# Altium PCB DI543.PcbDoc (part 2 of 8)
Units mil, origin at the board's own origin, x right, y up, seen from the top; angles counter-clockwise.
Board outline 8666.42 x 9192.01 mil, 4 copper layers (Top Layer, Mid-Layer 1, Mid-Layer 2, Bottom Layer), stack 35.6 mil thick; 694 components, 500 nets, 2441 pads, 1661 vias.
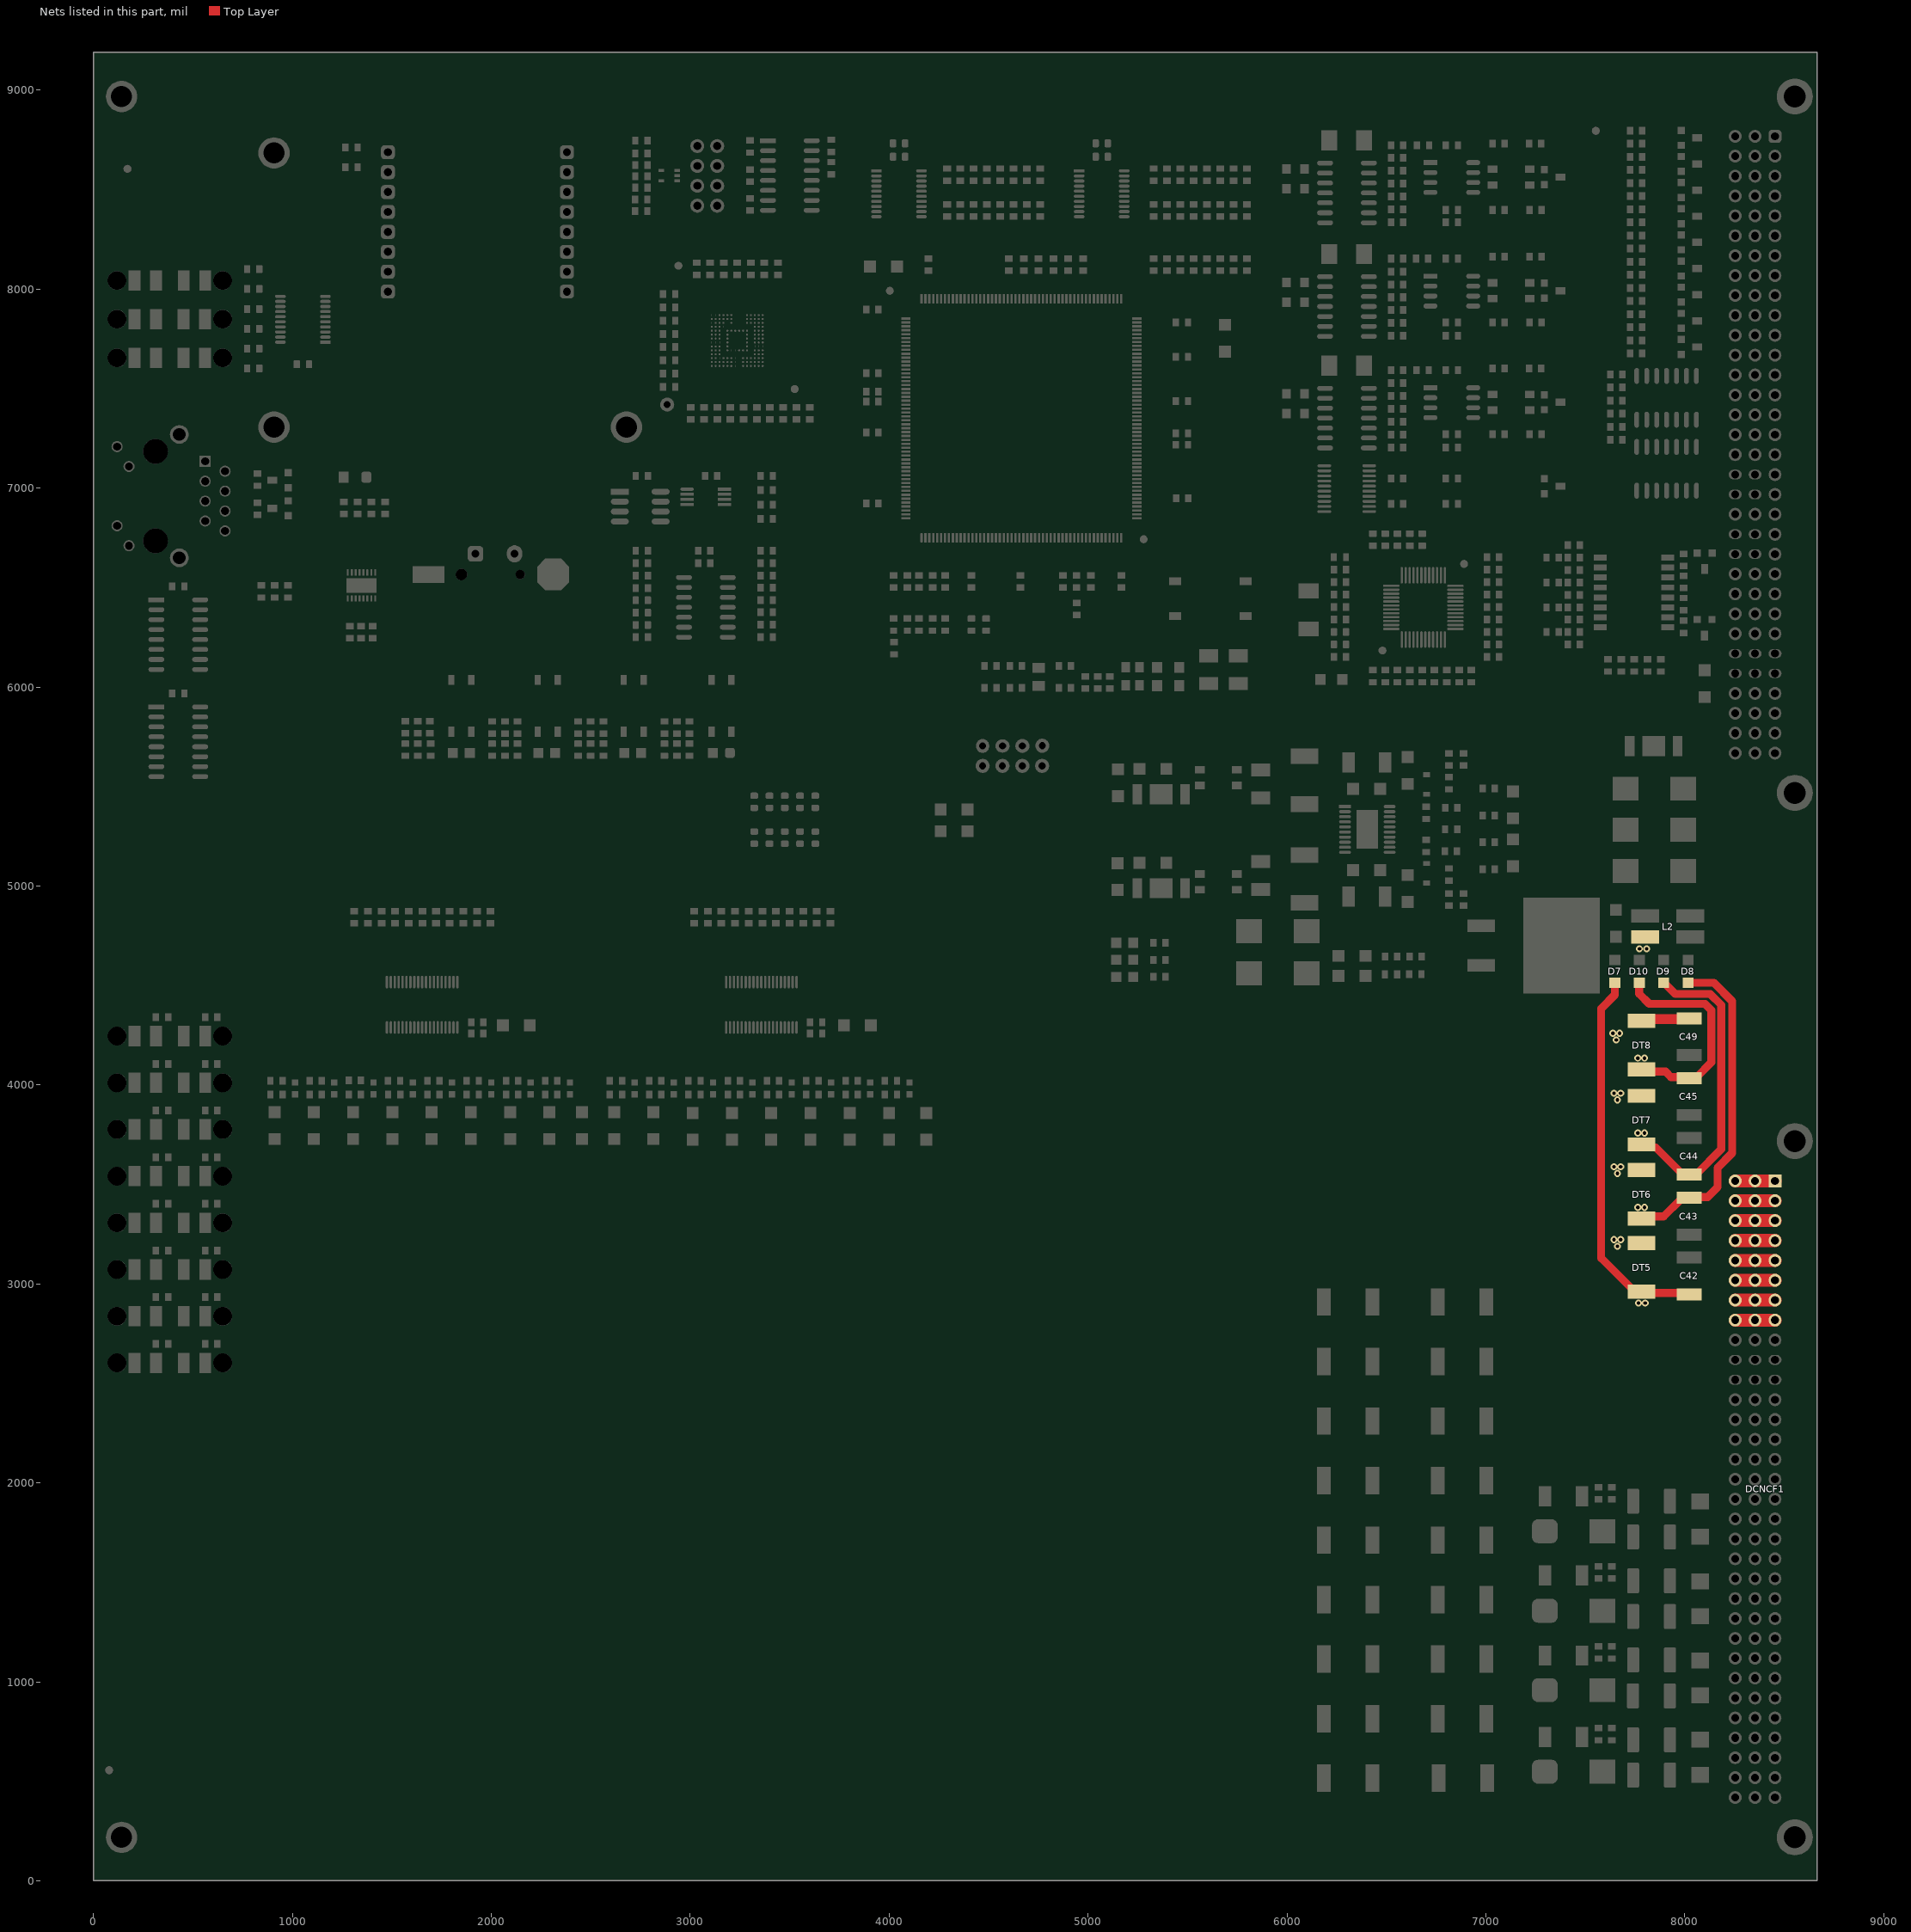
[diagram p4: the nets of this part, all layers, seen from the top]

## Footprints (in the part's own frame and the unit in brackets; to place one, negate y for a bottom-side part, rotate by r counter-clockwise, add the part's x,y. Pads: shape width x height; smd on the part's side, far side on the other; paste and mask are expansions set on the pad) (continued)
EMMC [mm]
  oval 0x0.254 smd paste+0 mask+0: A1(-3.25,3.25) A2(-2.75,3.25) C1(-3.25,2.25) D4(-1.75,1.75) H1(-3.25,-0.25) H2(-2.75,-0.25) H3(-2.25,-0.25) J12(2.25,-0.75) J13(2.75,-0.75) J14(3.25,-0.75) K6(-0.75,-1.25) K7(-0.25,-1.25) M3(-2.25,-2.25) M7(-0.25,-2.25) N7(-0.25,-2.75) P7(-0.25,-3.25)
  round 0.254 smd paste+0 mask+0: A3(-2.25,3.25) A4(-1.75,3.25) A5(-1.25,3.25) A6(-0.75,3.25) A10(1.25,3.25) A11(1.75,3.25) A12(2.25,3.25) A13(2.75,3.25) A14(3.25,3.25) B1(-3.25,2.75) B2(-2.75,2.75) B3(-2.25,2.75) B4(-1.75,2.75) B5(-1.25,2.75) B6(-0.75,2.75) B10(1.25,2.75) B11(1.75,2.75) B12(2.25,2.75) B13(2.75,2.75) B14(3.25,2.75) C2(-2.75,2.25) C3(-2.25,2.25) C10(1.25,2.25) C11(1.75,2.25) C12(2.25,2.25) C13(2.75,2.25) C14(3.25,2.25) D1(-3.25,1.75) D2(-2.75,1.75) D3(-2.25,1.75) D12(2.25,1.75) D13(2.75,1.75) D14(3.25,1.75) E1(-3.25,1.25) E2(-2.75,1.25) E3(-2.25,1.25) E5(-1.25,1.25) E7(-0.25,1.25) E8(0.25,1.25) E9(0.75,1.25) E10(1.25,1.25) E12(2.25,1.25) E13(2.75,1.25) E14(3.25,1.25) F1(-3.25,0.75) F2(-2.75,0.75) F3(-2.25,0.75) F5(-1.25,0.75) F10(1.25,0.75) F12(2.25,0.75) F13(2.75,0.75) F14(3.25,0.75) G5(-1.25,0.25) G10(1.25,0.25) G12(2.25,0.25) G13(2.75,0.25) G14(3.25,0.25) H5(-1.25,-0.25) H10(1.25,-0.25) H12(2.25,-0.25) H13(2.75,-0.25) H14(3.25,-0.25) J5(-1.25,-0.75) J10(1.25,-0.75) K1(-3.25,-1.25) K2(-2.75,-1.25) K3(-2.25,-1.25) K5(-1.25,-1.25) K8(0.25,-1.25) K9(0.75,-1.25) K10(1.25,-1.25) K12(2.25,-1.25) K13(2.75,-1.25) K14(3.25,-1.25) L1(-3.25,-1.75) L2(-2.75,-1.75) L3(-2.25,-1.75) L12(2.25,-1.75) L13(2.75,-1.75) L14(3.25,-1.75) M1(-3.25,-2.25) M2(-2.75,-2.25) M4(-1.75,-2.25) M5(-1.25,-2.25) M6(-0.75,-2.25) M9(0.75,-2.25) M10(1.25,-2.25) M11(1.75,-2.25) M12(2.25,-2.25) M13(2.75,-2.25) M14(3.25,-2.25) N1(-3.25,-2.75) N2(-2.75,-2.75) N3(-2.25,-2.75) N5(-1.25,-2.75) N6(-0.75,-2.75) N9(0.75,-2.75) N10(1.25,-2.75) N11(1.75,-2.75) N12(2.25,-2.75) N13(2.75,-2.75) N14(3.25,-2.75) P1(-3.25,-3.25) P2(-2.75,-3.25) P3(-2.25,-3.25) P4(-1.75,-3.25) P6(-0.75,-3.25) P9(0.75,-3.25) P10(1.25,-3.25) P11(1.75,-3.25) P12(2.25,-3.25) P13(2.75,-3.25) P14(3.25,-3.25)
  oval 0.23x0.254 smd paste+0 mask+0: C4(-1.75,2.25)
  oval 0.23x0.24 smd paste+0 mask+0: C6(-0.75,2.25)
  oval 0.254x0.24 smd paste+0 mask+0: E6(-0.75,1.25) G1(-3.25,0.25) G2(-2.75,0.25) G3(-2.25,0.25) J1(-3.25,-0.75) J2(-2.75,-0.75) J3(-2.25,-0.75)
  oval 0.254x0 smd paste+0 mask+0: M8(0.25,-2.25)
  round 0.25 smd paste+0 mask+0: N4(-1.75,-2.75) P5(-1.25,-3.25)
  oval 0.2x0 smd paste+0 mask+0: N8(0.25,-2.75) P8(0.25,-3.25)
  silkscreen extent -6.06,-6.81 6.06,6.81, body extent -5.8,-6.55 5.8,6.55, height 0.99
EURO2.54-2H96#1 [mm] "Connector; DIN 41612, Type C, Thru-Hole; Rows a+b+c, 96 Position; Right Angle"
  round 4.6 hole 2.8: 33(-5.08,2.54) 34(83.82,2.54)
  rect 1.65x1.65 hole 1: A1(0,0)
  round 1.65 hole 1: A2(2.54,0) A3(5.08,0) A4(7.62,0) A5(10.16,0) A6(12.7,0) A7(15.24,0) A8(17.78,0) A9(20.32,0) A12(27.94,0) A13(30.48,0) A14(33.02,0) A15(35.56,0) A16(38.1,0) A17(40.64,0) A18(43.18,0) A19(45.72,0) A20(48.26,0) A21(50.8,0) A22(53.34,0) A23(55.88,0) A24(58.42,0) A25(60.96,0) A26(63.5,0) A27(66.04,0) A28(68.58,0) A29(71.12,0) A30(73.66,0) A31(76.2,0) A32(78.74,0) B1(0,-2.54) B2(2.54,-2.54) B3(5.08,-2.54) B4(7.62,-2.54) B5(10.16,-2.54) B6(12.7,-2.54) B7(15.24,-2.54) B8(17.78,-2.54) B9(20.32,-2.54) B12(27.94,-2.54) B13(30.48,-2.54) B14(33.02,-2.54) B15(35.56,-2.54) B16(38.1,-2.54) B17(40.64,-2.54) B18(43.18,-2.54) B19(45.72,-2.54) B20(48.26,-2.54) B21(50.8,-2.54) B22(53.34,-2.54) B23(55.88,-2.54) B24(58.42,-2.54) B27(66.04,-2.54) B28(68.58,-2.54) B31(76.2,-2.54) B32(78.74,-2.54) C1(0,-5.08) C2(2.54,-5.08) C3(5.08,-5.08) C4(7.62,-5.08) C5(10.16,-5.08) C6(12.7,-5.08) C7(15.24,-5.08) C8(17.78,-5.08) C9(20.32,-5.08) C12(27.94,-5.08) C13(30.48,-5.08) C14(33.02,-5.08) C15(35.56,-5.08) C16(38.1,-5.08) C17(40.64,-5.08) C18(43.18,-5.08) C19(45.72,-5.08) C20(48.26,-5.08) C21(50.8,-5.08) C22(53.34,-5.08) C23(55.88,-5.08) C24(58.42,-5.08) C27(66.04,-5.08) C28(68.58,-5.08) C31(76.2,-5.08) C32(78.74,-5.08)
  oval 1.27x1.65 hole 1: A10(22.86,0) A11(25.4,0) B10(22.86,-2.54) B11(25.4,-2.54) C10(22.86,-5.08) C11(25.4,-5.08)
  oval 1.626x1.651 hole 1: B25(60.96,-2.54) B26(63.5,-2.54) B29(71.12,-2.54) C25(60.96,-5.08) C26(63.5,-5.08) C29(71.12,-5.08)
  oval 1.626x1.65 hole 1: B30(73.66,-2.54) C30(73.66,-5.08)
  silkscreen extent -7.63,-0.5 86.37,12.64, body extent -7.63,-5.31 86.37,12.72, height 11.1
EURO2.54-2H96#2 [mm] "Connector; DIN 41612, Type C, Thru-Hole; Rows a+b+c, 96 Position; Right Angle"
  round 4.6 hole 2.8: 33(-5.08,2.54) 34(83.82,2.54)
  rrect50% 1.65x1.65 hole 1: A1(0,0)
  round 1.65 hole 1: A2(2.54,0) A3(5.08,0) A4(7.62,0) A5(10.16,0) A6(12.7,0) A7(15.24,0) A8(17.78,0) A9(20.32,0) A10(22.86,0) A11(25.4,0) A12(27.94,0) A13(30.48,0) A14(33.02,0) A15(35.56,0) A16(38.1,0) A17(40.64,0) A18(43.18,0) A19(45.72,0) A20(48.26,0) A21(50.8,0) A22(53.34,0) A23(55.88,0) A24(58.42,0) A25(60.96,0) A26(63.5,0) A29(71.12,0) A30(73.66,0) A31(76.2,0) A32(78.74,0) B1(0,-2.54) B2(2.54,-2.54) B3(5.08,-2.54) B4(7.62,-2.54) B5(10.16,-2.54) B6(12.7,-2.54) B7(15.24,-2.54) B8(17.78,-2.54) B9(20.32,-2.54) B10(22.86,-2.54) B11(25.4,-2.54) B12(27.94,-2.54) B13(30.48,-2.54) B14(33.02,-2.54) B15(35.56,-2.54) B16(38.1,-2.54) B17(40.64,-2.54) B20(48.26,-2.54) B23(55.88,-2.54) B24(58.42,-2.54) B25(60.96,-2.54) B26(63.5,-2.54) B29(71.12,-2.54) B30(73.66,-2.54) B31(76.2,-2.54) B32(78.74,-2.54) C1(0,-5.08) C2(2.54,-5.08) C3(5.08,-5.08) C4(7.62,-5.08) C5(10.16,-5.08) C6(12.7,-5.08) C7(15.24,-5.08) C8(17.78,-5.08) C9(20.32,-5.08) C10(22.86,-5.08) C11(25.4,-5.08) C12(27.94,-5.08) C13(30.48,-5.08) C14(33.02,-5.08) C15(35.56,-5.08) C16(38.1,-5.08) C17(40.64,-5.08) C20(48.26,-5.08) C23(55.88,-5.08) C24(58.42,-5.08) C25(60.96,-5.08) C26(63.5,-5.08) C29(71.12,-5.08) C30(73.66,-5.08) C31(76.2,-5.08) C32(78.74,-5.08)
  oval 1.143x1.65 hole 1: A27(66.04,0) A28(68.58,0) B27(66.04,-2.54) B28(68.58,-2.54) C27(66.04,-5.08) C28(68.58,-5.08)
  oval 1.245x1.65 hole 1: B18(43.18,-2.54) B19(45.72,-2.54) B21(50.8,-2.54) B22(53.34,-2.54) C18(43.18,-5.08) C19(45.72,-5.08) C21(50.8,-5.08) C22(53.34,-5.08)
  silkscreen extent -7.63,-0.5 86.37,12.64, body extent -7.63,-5.31 86.37,12.72, height 11.1
Fuse1206 [mil]
  rect 60x60 smd: 1(-2,-1) 2(133,-1)
  silkscreen extent -44,-44 175,43, body extent 4,-34 126,28, height 24
H1102NL [mil]
  rect 65.35x29.92 smd: 1(-170,175) 2(-170,125) 3(-170,75) 4(-170,25) 5(-170,-25) 6(-170,-75) 7(-170,-125) 8(-170,-175) 9(170,-175) 10(170,-125) 11(170,-75) 12(170,-25) 13(170,25) 14(170,75) 15(170,125) 16(170,175)
  silkscreen extent -178,-250 140,250, body extent -195,-256 195,236, height 215
"Header 1x4/M/ST" [mil]
  rrect50% 70x70 hole 40: 1(-150,0) 2(-50,0) 3(50,0) 4(150,0)
  silkscreen extent -198,-50 202,50, body extent -198,-50 202,50, height 362
"Header 2x4/F/2.54/ST" [mil]
  round 70 hole 40: 1(600,-100) 2(600,0) 3(700,-100) 4(700,0) 5(800,-100) 6(800,0) 7(900,-100) 8(900,0)
  silkscreen extent 550,-150 950,50, body extent 545,-150 955,47, height 335
"Indicator 0603" [mil] "Indicator 0603"
  rect 32x39 smd: 1(-2,-1) 2(59,-1)
  silkscreen extent -27,-30 84,28, body extent -3,-21 59,18, height 16
LayerN4 [mil]
  Top Layer region: 0,0 98.43,0 98.43,157.48 0,157.48
  Top Layer region: 417,0.14 810.7,0.14 810.7,315.1 417,315.1
  Mid-Layer 1 region: 197,0 295.43,0 295.43,157.48 197,157.48
  Mid-Layer 1 region: 417,0.14 810.7,0.14 810.7,315.1 417,315.1
  Mid-Layer 2 region: 98.57,0 197,0 197,157.48 98.57,157.48
  Mid-Layer 2 region: 417,0.14 810.7,0.14 810.7,315.1 417,315.1
  Bottom Layer region: 295.28,0 393.7,0 393.7,157.48 295.28,157.48
  Bottom Layer region: 417,0.14 810.7,0.14 810.7,315.1 417,315.1
  Multi-Layer lines w8: 0,315 0,303 0,213 393.7,213 393.7,315 0,315
"LED 0603 - Green" [mm] "LED 0603"
  rect 0.8x0.8 smd: 1(-0.671,-0.022) 2(0.829,-0.022)
  silkscreen extent -1.45,-0.72 1.6,0.68, body extent -0.72,-0.42 0.88,0.38, height 0.6
LED-0805#1 [mil]
  rect 50x50 smd: A(0,0) K(85,0)
  silkscreen extent -38,-38 123,38, body extent 2,-25 80,25, height 16
LED-0805#2 [mil]
  rrect50% 50x50 smd: A(0,0)
  rect 50x50 smd: K(85,0)
  silkscreen extent -38,-38 123,38, body extent 2,-25 80,25, height 16
LEDT670 [mm]
  rect 1.5x2.6 smd: A(-1.375,0) K(1.375,0)
  silkscreen extent -1.85,-1.5 2.49,1.5, body extent -1.75,-1.43 1.75,1.37, height 1.9
LightGuide2 [mm]
  round 2.4 hole 2.4: 0(0,0) 0(13.5,0)
  rect 1.5x2.6 on Mech1: A1(8.525,0) A2(2.225,0) K1(11.275,0) K2(4.975,0)
  silkscreen extent -2.1,-1.5 15.5,1.5, body extent -8.18,-1.5 15.48,1.5, height 9.58
LQF208 [mm] "LQF208"
  oval 1.2x0.3 smd: 1(-15.189,13.36)
  rect 1.2x0.3 smd: 2(-15.189,12.86) 3(-15.189,12.36) 4(-15.189,11.86) 5(-15.189,11.36) 6(-15.189,10.86) 7(-15.189,10.36) 8(-15.189,9.86) 9(-15.189,9.36) 10(-15.189,8.86) 11(-15.189,8.36) 12(-15.189,7.86) 13(-15.189,7.36) 14(-15.189,6.86) 15(-15.189,6.36) 16(-15.189,5.86) 17(-15.189,5.36) 18(-15.189,4.86) 19(-15.189,4.36) 20(-15.189,3.86) 21(-15.189,3.36) 22(-15.189,2.86) 23(-15.189,2.36) 24(-15.189,1.86) 25(-15.189,1.36) 26(-15.189,0.86) 27(-15.189,0.36) 28(-15.189,-0.14) 29(-15.189,-0.64) 30(-15.189,-1.14) 31(-15.189,-1.64) 32(-15.189,-2.14) 33(-15.189,-2.64) 34(-15.189,-3.14) 35(-15.189,-3.64) 36(-15.189,-4.14) 37(-15.189,-4.64) 38(-15.189,-5.14) 39(-15.189,-5.64) 40(-15.189,-6.14) 41(-15.189,-6.64) 42(-15.189,-7.14) 43(-15.189,-7.64) 44(-15.189,-8.14) 45(-15.189,-8.64) 46(-15.189,-9.14) 47(-15.189,-9.64) 48(-15.189,-10.14) 49(-15.189,-10.64) 50(-15.189,-11.14) 51(-15.189,-11.64) 52(-15.189,-12.14) 105(15.311,-12.14) 106(15.311,-11.64) 107(15.311,-11.14) 108(15.311,-10.64) 109(15.311,-10.14) 110(15.311,-9.64) 111(15.311,-9.14) 112(15.311,-8.64) 113(15.311,-8.14) 114(15.311,-7.64) 115(15.311,-7.14) 116(15.311,-6.64) 117(15.311,-6.14) 118(15.311,-5.64) 119(15.311,-5.14) 120(15.311,-4.64) 121(15.311,-4.14) 122(15.311,-3.64) 123(15.311,-3.14) 124(15.311,-2.64) 125(15.311,-2.14) 126(15.311,-1.64) 127(15.311,-1.14) 128(15.311,-0.64) 129(15.311,-0.14) 130(15.311,0.36) 131(15.311,0.86) 132(15.311,1.36) 133(15.311,1.86) 134(15.311,2.36) 135(15.311,2.86) 136(15.311,3.36) 137(15.311,3.86) 138(15.311,4.36) 139(15.311,4.86) 140(15.311,5.36) 141(15.311,5.86) 142(15.311,6.36) 143(15.311,6.86) 144(15.311,7.36) 145(15.311,7.86) 146(15.311,8.36) 147(15.311,8.86) 148(15.311,9.36) 149(15.311,9.86) 150(15.311,10.36) 151(15.311,10.86) 152(15.311,11.36) 153(15.311,11.86) 154(15.311,12.36) 155(15.311,12.86) 156(15.311,13.36)
  rect 0.3x1.2 smd: 53(-12.689,-14.14) 54(-12.189,-14.14) 55(-11.689,-14.14) 56(-11.189,-14.14) 57(-10.689,-14.14) 58(-10.189,-14.14) 59(-9.689,-14.14) 60(-9.189,-14.14) 61(-8.689,-14.14) 62(-8.189,-14.14) 63(-7.689,-14.14) 64(-7.189,-14.14) 65(-6.689,-14.14) 66(-6.189,-14.14) 67(-5.689,-14.14) 68(-5.189,-14.14) 69(-4.689,-14.14) 70(-4.189,-14.14) 71(-3.689,-14.14) 72(-3.189,-14.14) 73(-2.689,-14.14) 74(-2.189,-14.14) 75(-1.689,-14.14) 76(-1.189,-14.14) 77(-0.689,-14.14) 78(-0.189,-14.14) 79(0.311,-14.14) 80(0.811,-14.14) 81(1.311,-14.14) 82(1.811,-14.14) 83(2.311,-14.14) 84(2.811,-14.14) 85(3.311,-14.14) 86(3.811,-14.14) 87(4.311,-14.14) 88(4.811,-14.14) 89(5.311,-14.14) 90(5.811,-14.14) 91(6.311,-14.14) 92(6.811,-14.14) 93(7.311,-14.14) 94(7.811,-14.14) 95(8.311,-14.14) 96(8.811,-14.14) 97(9.311,-14.14) 98(9.811,-14.14) 99(10.311,-14.14) 100(10.811,-14.14) 101(11.311,-14.14) 102(11.811,-14.14) 103(12.311,-14.14) 104(12.811,-14.14) 157(12.811,15.36) 158(12.311,15.36) 159(11.811,15.36) 160(11.311,15.36) 161(10.811,15.36) 162(10.311,15.36) 163(9.811,15.36) 164(9.311,15.36) 165(8.811,15.36) 166(8.311,15.36) 167(7.811,15.36) 168(7.311,15.36) 169(6.811,15.36) 170(6.311,15.36) 171(5.811,15.36) 172(5.311,15.36) 173(4.811,15.36) 174(4.311,15.36) 175(3.811,15.36) 176(3.311,15.36) 177(2.811,15.36) 178(2.311,15.36) 179(1.811,15.36) 180(1.311,15.36) 181(0.811,15.36) 182(0.311,15.36) 183(-0.189,15.36) 184(-0.689,15.36) 185(-1.189,15.36) 186(-1.689,15.36) 187(-2.189,15.36) 188(-2.689,15.36) 189(-3.189,15.36) 190(-3.689,15.36) 191(-4.189,15.36) 192(-4.689,15.36) 193(-5.189,15.36) 194(-5.689,15.36) 195(-6.189,15.36) 196(-6.689,15.36) 197(-7.189,15.36) 198(-7.689,15.36) 199(-8.189,15.36) 200(-8.689,15.36) 201(-9.189,15.36) 202(-9.689,15.36) 203(-10.189,15.36) 204(-10.689,15.36) 205(-11.189,15.36) 206(-11.689,15.36) 207(-12.189,15.36) 208(-12.689,15.36)
  silkscreen extent -15.67,-13 14.18,15.56, body extent -14.71,-14.12 14.79,15.38, height 1.4
LQFP-48_M [mm] "Thin QFP, 48-Leads, Body 7x7mm, Pitch 0.5mm, IPC Low Density"
  oval 2.1x0.3 smd: 1(0,0) 2(0,-0.5) 3(0,-1) 4(0,-1.5) 5(0,-2) 6(0,-2.5) 7(0,-3) 8(0,-3.5) 9(0,-4) 10(0,-4.5) 11(0,-5) 12(0,-5.5) 25(8.2,-5.5) 26(8.2,-5) 27(8.2,-4.5) 28(8.2,-4) 29(8.2,-3.5) 30(8.2,-3) 31(8.2,-2.5) 32(8.2,-2) 33(8.2,-1.5) 34(8.2,-1) 35(8.2,-0.5) 36(8.2,0)
  oval 0.3x2.1 smd: 13(1.35,-6.85) 14(1.85,-6.85) 15(2.35,-6.85) 16(2.85,-6.85) 17(3.35,-6.85) 18(3.85,-6.85) 19(4.35,-6.85) 20(4.85,-6.85) 21(5.35,-6.85) 22(5.85,-6.85) 23(6.35,-6.85) 24(6.85,-6.85) 37(6.85,1.35) 38(6.35,1.35) 39(5.85,1.35) 40(5.35,1.35) 41(4.85,1.35) 42(4.35,1.35) 43(3.85,1.35) 44(3.35,1.35) 45(2.85,1.35) 46(2.35,1.35) 47(1.85,1.35) 48(1.35,1.35)
  silkscreen extent -0.13,-5.4 6.75,0.82, body extent -0.41,-7.24 8.59,1.76, height 1.57
MSOP8 [mm]
  oval 1.7x0.4 smd: 1(0,0)
  rect 1.7x0.4 smd: 2(0,-0.65) 3(0,-1.3) 4(0,-1.95) 5(4.78,-1.95) 6(4.78,-1.3) 7(4.78,-0.65) 8(4.78,0)
  silkscreen extent 0.92,-2.44 3.84,0.51, body extent 0.04,-2.49 4.94,0.51, height 1.15
NFE61P [mm]
  rect 1.219x2.54 smd: 1(0,0) 3(6.1,0)
  rect 2.9x2.54 smd: 2(3.05,0)
  silkscreen extent -0.8,-1.41 6.9,1.44, body extent -0.35,-0.74 6.45,0.86, height 1.6
OSC-5X3.2 [mm]
  rect 1.2x1.1 smd mask+0.051: 1(0,0) 2(2.54,0) 3(2.54,2.3) 4(0,2.3)
  silkscreen extent -1.28,-0.85 3.82,3.15
"PCB Plastic guard" [mil]
  Keep-Out Layer lines w5: -7294.09,-18.7 -7294.09,128.94 ; -7294.09,-13.7 ccw(c-7244.98,-16.76) -7195.86,-13.7 ; -7294.09,126.3 cw(c-7244.98,129.35) -7195.86,126.3 ; -7195.67,-18.7 -7195.67,128.94 ; -3893.9,7.87 -3746.26,7.87 ; -3893.9,106.3 -3746.26,106.3 ; -3893.32,7.99 cw(c-3891.95,57.18) -3888.9,106.3 ; -3748.9,8.06 ccw(c-3745.84,57.18) -3748.9,106.3 ; -468.7,7.87 -321.06,7.87 ; -468.7,106.3 -321.06,106.3 ; -463.7,8.06 cw(c-466.76,57.18) -463.7,106.3 ; -323.7,8.06 ccw(c-320.65,57.18) -323.7,106.3
PushBotton [mil] "PushBotton"
  rect 60x40 smd: 1(0.83,-176.5) 2(0.83,-1.5) 3(355.17,-1.5) 4(355.17,-176.5)
  silkscreen extent 53,-214 303,36, body extent -20,-205 374,31, height 200
"RES 0603"#1 [mil]
  rect 32x39 smd: 1(-30,-2) 2(31,-2)
  silkscreen extent -55,-31 56,27, body extent -31,-20 33,14, height 18
"RES 0603"#2 [mil]
  rect 32x39 smd: 1(-30,-2)
  rrect20% 32x39 smd: 2(31,-2)
  silkscreen extent -55,-31 56,27, body extent -31,-20 33,14, height 18
"RES 0603"#3 [mil]
  rect 32x37.4 smd: 1(-30,-2)
  rect 32x39 smd: 2(31,-2)
  silkscreen extent -55,-31 56,27, body extent -31,-20 33,14, height 18
"RES 0603"#4 [mil]
  rrect30% 32x39 smd: 1(-30,-2) 2(31,-2)
  silkscreen extent -55,-31 56,27, body extent -31,-20 33,14, height 18
"RES 0603"#5 [mil]
  rect 32x39 smd: 1(-30,-2)
  rect 32x37.4 smd: 2(31,-2)
  silkscreen extent -55,-31 56,27, body extent -31,-20 33,14, height 18
"RES 0603"#6 [mil]
  rect 32x39 smd: 1(-30,-2)
  rect 32x35.43 smd: 2(31,-2)
  silkscreen extent -55,-31 56,27, body extent -31,-20 33,14, height 18
"RES 0603"#7 [mil]
  rect 32x35.43 smd: 1(-30,-2)
  rect 32x39 smd: 2(31,-2)
  silkscreen extent -55,-31 56,27, body extent -31,-20 33,14, height 18
"RES 0603"#8 [mil]
  rrect20% 32x39 smd: 1(-30,-2) 2(31,-2)
  silkscreen extent -55,-31 56,27, body extent -31,-20 33,14, height 18
"RES 0603"#9 [mil]
  rect 29.53x39 smd: 1(-30,-2) 2(31,-2)
  silkscreen extent -55,-31 56,27, body extent -31,-20 33,14, height 18
"RES 0603"#10 [mil]
  rrect50% 32x39 smd: 1(-30,-2) 2(31,-2)
  silkscreen extent -55,-31 56,27, body extent -31,-20 33,14, height 18
"RES 0603"#11 [mil] "Chip Inductor, Body 0.6x0.3mm, IPC High Density"
  rrect20% 32x39 smd: 1(-30,-2)
  rect 32x39 smd: 2(31,-2)
  silkscreen extent -55,-31 56,27, body extent -31,-20 33,14, height 18
"RES 0603"#12 [mil] "Chip Inductor, Body 0.6x0.3mm, IPC High Density"
  rrect30% 32x39 smd: 1(-30,-2)
  rrect20% 32x39 smd: 2(31,-2)
  silkscreen extent -55,-31 56,27, body extent -31,-20 33,14, height 18
"RES 1206" [mil] "RES 1206"
  rect 60x60 smd: 1(121,-123) 2(256,-123)
  silkscreen extent 76,-168 301,-79, body extent 126,-155 252,-93, height 17
RJ45 [mil] "RJ45"
  rect 56x56 hole 40: 1(172,-219)
  round 56 hole 40: 2(122,-319) 3(72,-219) 4(22,-319) 5(-28,-219) 6(-78,-319) 7(-128,-219) 8(-178,-319) 9(246.02,223.91) 10(146.02,164.07) 11(-152.02,223.91) 12(-252.02,164.07)
  round 94 hole 64: 13(-313.04,-89.08) 14(307.04,-89.08)
  round 125 hole 125: ""(-228,31) ""(222,31)
  silkscreen extent -323,-394 317,456, body extent -359,-383 351,455, height 565
SO4 [mm]
  rect 1.3x0.8 smd: 1(0,0) 2(0,-2.54) 3(6.604,-2.54) 4(6.604,0)
  silkscreen extent 1.1,-3.34 5.5,0.8, body extent 0.29,-3.32 6.37,0.78, height 2.18
SO8 [mil]
  rect 90x30 smd: 1(0,0)
  oval 90x30 smd: 2(0,-50) 3(0,-100) 4(0,-150) 5(205,-150) 6(205,-100) 7(205,-50) 8(205,0)
  silkscreen extent 55,-180 150,31, body extent -10,-171 228,21, height 59